# Altium PCB wifi_watering_system_1.PcbDoc
Units mil, origin at the board's own origin, x right, y up, seen from the top; angles counter-clockwise.
Board outline 3267.72 x 1968.5 mil, 2 copper layers (Top Layer, Bottom Layer); 78 components, 64 nets, 281 pads, 0 vias.
Unrouted connection lines stored in the file: 1.
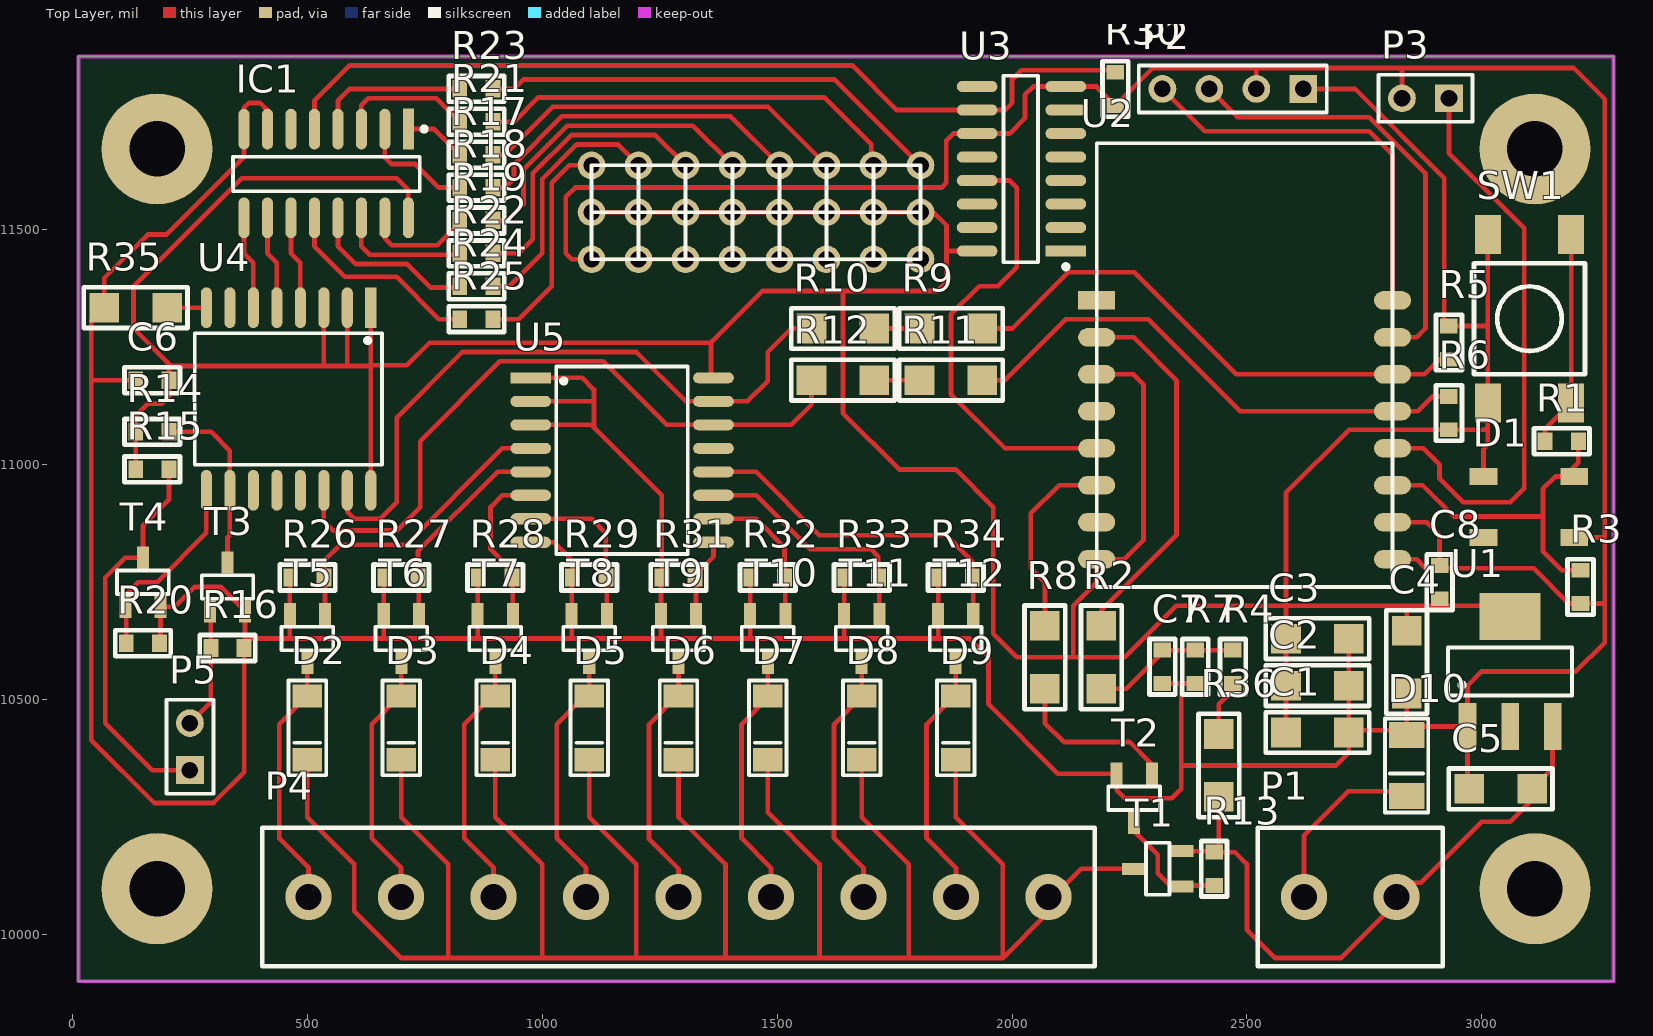
[diagram p0: Top Layer view]
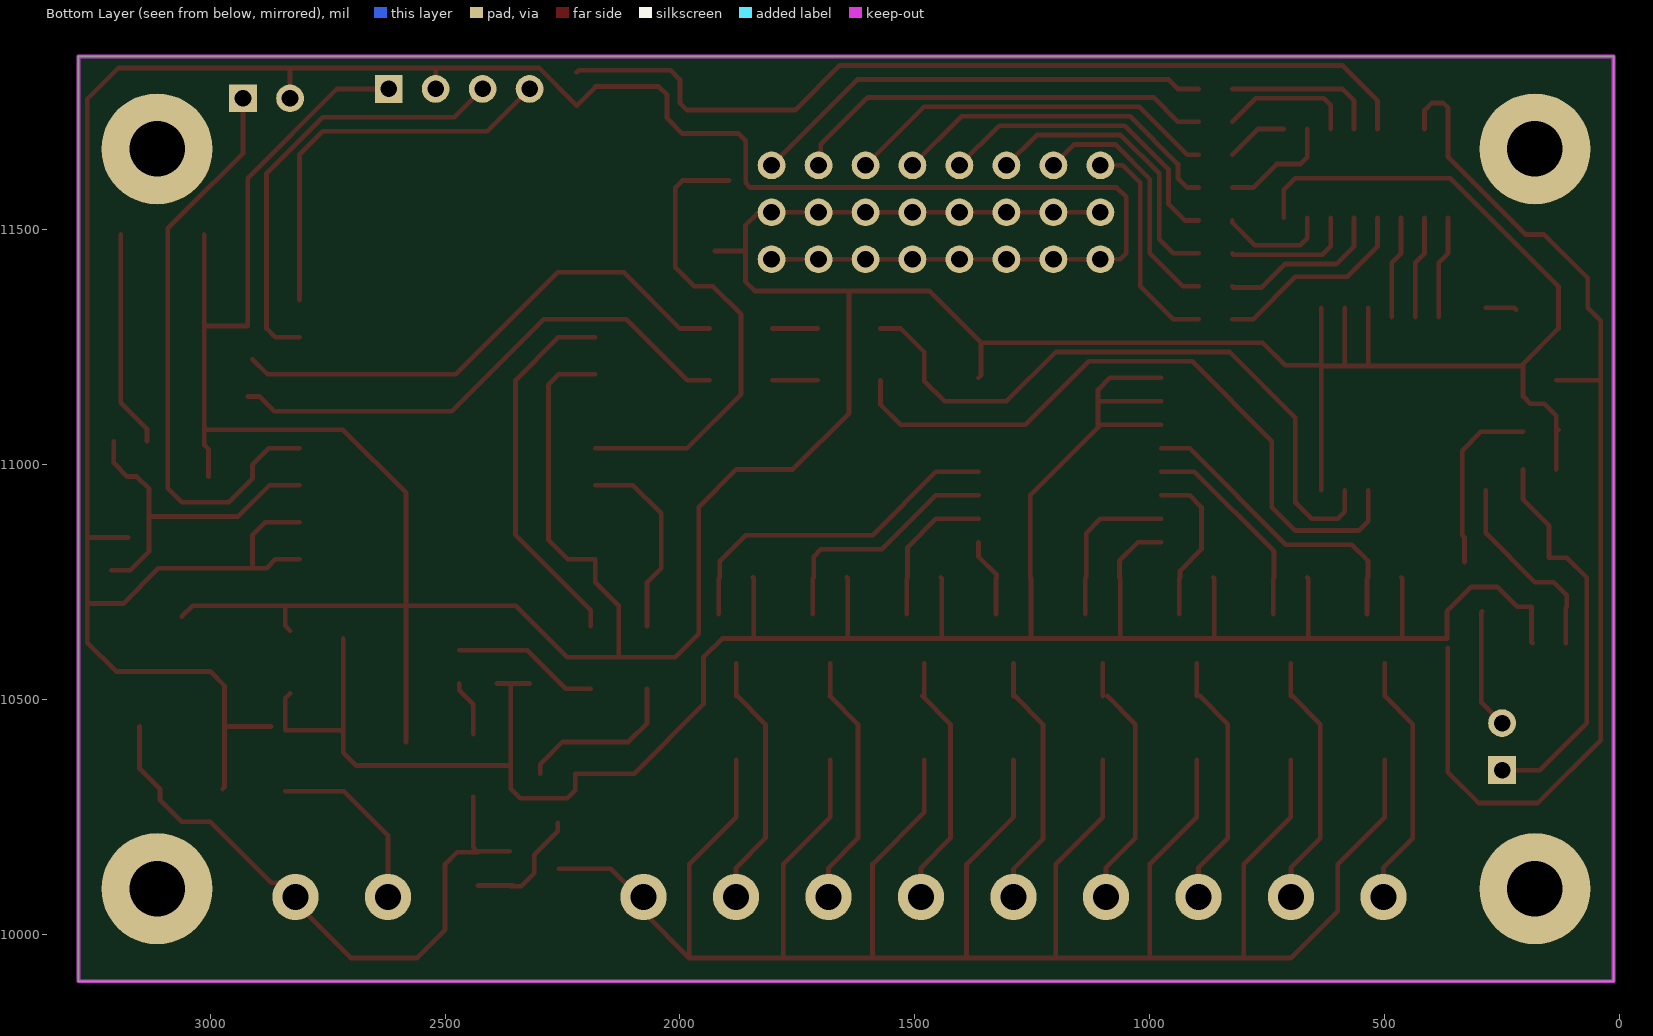
[diagram p1: Bottom Layer view, seen from below]

## Layer stack, top to bottom
Top Layer: signal copper 1.4
Dielectric: dielectric 12.6, FR-4, Dk 4.8
Bottom Layer: signal copper 1.4

## Board outline
12.68,9900.67 3280.39,9900.67 3280.39,11869.17 12.68,11869.17

## Design rules (kind name [scope] priority, off if disabled: settings)
Clearance [All] p1: gap=10
PolygonConnect [All] p1: connectstyle=Relief reliefconductorwidth=10 reliefentries=4 polygonreliefangle="90 Angle"
RoutingVias [All] p1: holewidth=28 width=50 viastyle="Through Hole" minholewidth=28 minwidth=50 maxholewidth=28 maxwidth=50
SilkscreenOverComponentPads [All] p1: minsilkscreentomaskgap=10
SolderMaskExpansion [All] p1: expansion=4
Width [All] p1: maxlimit=10 minlimit=10 preferedwidth=10
27 further rules are at their usual default settings.

## Components (designator, comment, footprint, x,y, rotation, side; value= is the part's Value field where it differs from the comment)
C1 "10uF" FP_1206_CAP_085 2650,10430 r180 top
C2 "10uF" FP_1206_CAP_085 2650,10530 r180 top
C3 "10uF" FP_1206_CAP_085 2650,10630 r180 top
C4 "10uF" FP_1206_CAP_085 2840,10580 r90 top
C5 "10uF" FP_1206_CAP_085 3040,10310 r180 top
C6 "100nF" FP_0603_CAP_080 170,11180 r180 top
C7 "100nF" FP_0603_CAP_080 2320,10570 r270 top
C8 "100nF" FP_0603_CAP_080 2910,10750 r90 top
D1 "WS2812B" LED_5050_4pin 3100,10910 r0 top
D2 "DIODE" SOD-80 500,10440 r180 top
D3 "DIODE" SOD-80 700,10440 r180 top
D4 "DIODE" SOD-80 900,10440 r180 top
D5 "DIODE" SOD-80 1100,10440 r180 top
D6 "DIODE" SOD-80 1290,10440 r180 top
D7 "DIODE" SOD-80 1480,10440 r180 top
D8 "DIODE" SOD-80 1680,10440 r180 top
D9 "DIODE" SOD-80 1880,10440 r180 top
D10 "S1ML" subsma 2840,10360 r180 top
IC1 "CD74HCT251M" GATE_SOIC16 540,11620 r0 top
P1 "AC" "Sorkapocs 2P 5mm" 2720,10080 r180 top
P2 "PROG" HDR1X4 2620,11800 r180 top
P3 "BUTTON" HDR1X2 2930,11780 r180 top
P4 "Header 9" "Sorkapocs 9P 5mm" 1290,10080 r180 top
P5 "PROBE" HDR1X2 250,10350 r90 top
R1 "100K" FP_0603_RES 3170,11050 r180 top
R2 "0R" FP_1206_RES 2190,10590 r270 top
R3 "100K" FP_0603_RES 3210,10740 r270 top
R4 "100K" FP_0603_RES 2470,10570 r90 top
R5 "100K" FP_0603_RES 2930,11260 r270 top
R6 "100K" FP_0603_RES 2930,11110 r90 top
R7 "100K" FP_0603_RES 2390,10570 r270 top
R8 "0R" FP_1206_RES 2070,10590 r270 top
R9 "0R" FP_1206_RES 1870,11290 r0 top
R10 "0R" FP_1206_RES 1640,11290 r0 top
R11 "0R" FP_1206_RES 1870,11180 r0 top
R12 "0R" FP_1206_RES 1640,11180 r0 top
R13 "100K" FP_0603_RES 2430,10140 r270 top
R14 "100K" FP_0603_RES 170,11070 r180 top
R15 "100K" FP_0603_RES 170,10990 r180 top
R16 "100K" FP_0603_RES 330,10610 r180 top
R17 "100K" FP_0603_RES 860,11660 r180 top
R18 "100K" FP_0603_RES 860,11590 r180 top
R19 "100K" FP_0603_RES 860,11520 r0 top
R20 "100K" FP_0603_RES 150,10620 r180 top
R21 "100K" FP_0603_RES 860,11730 r180 top
R22 "100K" FP_0603_RES 860,11450 r0 top
R23 "100K" FP_0603_RES 860,11800 r180 top
R24 "100K" FP_0603_RES 860,11380 r0 top
R25 "100K" FP_0603_RES 860,11310 r0 top
R26 "100K" FP_0603_RES 500,10760 r180 top
R27 "100K" FP_0603_RES 700,10760 r0 top
R28 "100K" FP_0603_RES 900,10760 r0 top
R29 "100K" FP_0603_RES 1100,10760 r0 top
R30 "100K" FP_0603_RES 2220,11800 r90 top
R31 "100K" FP_0603_RES 1290,10760 r0 top
R32 "100K" FP_0603_RES 1480,10760 r0 top
R33 "100K" FP_0603_RES 1680,10760 r0 top
R34 "100K" FP_0603_RES 1880,10760 r0 top
R35 "0R" FP_1206_RES 134.49,11334.49 r180 top
R36 "0R" FP_1206_RES 2440,10360 r90 top
SW1 "SW_ tactile" FP_TACTBTN 3190,11490 r0 top
T1 "TSM2307CX  SI2307" FET_SOT23 2310,10140 r0 top
T2 "PMBF170" FET_SOT23 2260,10290 r90 top
T3 "PMBF170" FET_SOT23 330,10740 r270 top
T4 "PMBF170" FET_SOT23 150,10750 r270 top
T5 "SI2306" FET_SOT23 500,10630 r90 top
T6 "SI2306" FET_SOT23 700,10630 r90 top
T7 "SI2306" FET_SOT23 900,10630 r90 top
T8 "SI2306" FET_SOT23 1100,10630 r90 top
T9 "SI2306" FET_SOT23 1290,10630 r90 top
T10 "SI2306" FET_SOT23 1480,10630 r90 top
T11 "SI2306" FET_SOT23 1680,10630 r90 top
T12 "SI2306" FET_SOT23 1880,10630 r90 top
U1 "LD1117xx" SUPPLY_SOT223 3060,10560 r90 top
U2 "ESP-12" ESP_12 2180,11350 r0 top
U3 "SN74HC4040D" GATE_SOIC16 2020,11630 r270 top
U4 "PCF8574T" DIGITAL_SOIC16W 460,11140 r0 top
U5 "PCF8574T" DIGITAL_SOIC16W 1170,11010 r90 top

## Footprints (in the part's own frame and the unit in brackets; to place one, negate y for a bottom-side part, rotate by r counter-clockwise, add the part's x,y. Pads: shape width x height; smd on the part's side, far side on the other; paste and mask are expansions set on the pad)
DIGITAL_SOIC16W [mm]
  rect 0.6x2.2 smd: 1(4.445,4.94)
  oval 0.6x2.2 smd: 2(3.175,4.94) 3(1.905,4.94) 4(0.635,4.94) 5(-0.635,4.94) 6(-1.905,4.94) 7(-3.175,4.94) 8(-4.445,4.94) 9(-4.445,-4.94) 10(-3.175,-4.94) 11(-1.905,-4.94) 12(-0.635,-4.94) 13(0.635,-4.94) 14(1.905,-4.94) 15(3.175,-4.94) 16(4.445,-4.94)
  silkscreen extent -5.08,-3.56 5.05,3.56, body extent -5.1,-5.15 5.1,5.15, height 3.5
ESP_12 [mm]
  rect 2x1 smd: 1(0,0)
  oval 2x1 smd: 2(0,-2) 3(0,-4) 4(0,-6) 5(0,-8) 6(0,-10) 7(0,-12) 8(0,-14) 9(16,-14) 10(16,-12) 11(16,-10) 12(16,-8) 13(16,-6) 14(16,-4) 15(16,-2) 16(16,0)
  silkscreen extent 0,-15.5 16,8.5, body extent 0,-15.5 16,8.5, height 2.8
FET_SOT23 [mm] "SOT23-3 tok"
  rect 1.2x0.65 smd: D(-1.327,0) G(1.327,-0.95) S(1.327,0.95)
  silkscreen extent -0.64,-1.4 0.64,1.4, body extent -1.27,-1.46 1.27,1.46, height 0.97
FP_0603_CAP_080 [mm] "0.8mm magas 0603 kapacitás"
  rect 0.8x0.95 smd: 1(-0.9,0) 2(0.9,0)
  silkscreen extent -1.5,-0.7 1.5,0.7, body extent -0.8,-0.4 0.76,0.4, height 0.8
FP_0603_RES [mm] "0603 ellenállás"
  rect 0.8x0.95 smd: 1(-0.9,0) 2(0.9,0)
  silkscreen extent -1.5,-0.7 1.5,0.7, body extent -0.8,-0.4 0.8,0.4, height 0.44
FP_1206_CAP_085 [mm] "1206 kapacitás 0.85 mm"
  rect 1.6x1.6 smd: 1(-1.7,0) 2(1.7,0)
  silkscreen extent -2.8,-1.1 2.8,1.1, body extent -1.52,-0.79 1.58,0.79, height 0.85
FP_1206_RES [mm] "1206 ellenállás"
  rect 1.6x1.6 smd: 1(-1.7,0) 2(1.7,0)
  silkscreen extent -2.8,-1.1 2.8,1.1, body extent -1.6,-0.8 1.6,0.8, height 0.62
FP_TACTBTN [mm] "TE CONNECTIVITY / ALCOSWITCH - FSM2JSMA"
  rect 1.4x2.1 smd: 1(0,0) 2(0,-9.1) 3(-4.5,0) 4(-4.5,-9.1)
  silkscreen extent -5.25,-7.55 0.75,-1.55, body extent -5.23,-8.57 0.77,-0.42, height 5
GATE_SOIC16 [mm]
  rect 0.6x2.2 smd: 1(4.445,2.4)
  oval 0.6x2.2 smd: 2(3.175,2.4) 3(1.905,2.4) 4(0.635,2.4) 5(-0.635,2.4) 6(-1.905,2.4) 7(-3.175,2.4) 8(-4.445,2.4) 9(-4.445,-2.4) 10(-3.175,-2.4) 11(-1.905,-2.4) 12(-0.635,-2.4) 13(0.635,-2.4) 14(1.905,-2.4) 15(3.175,-2.4) 16(4.445,-2.4)
  silkscreen extent -5.03,-0.97 5.42,2.52, body extent -4.95,-3 4.95,3, height 1.4
HDR1X2 [mm] "Connector; Header; 2 Position"
  rect 1.5x1.5 hole 0.9: 1(0,0)
  round 1.5 hole 0.9: 2(2.54,0)
  silkscreen extent -1.27,-1.27 3.81,1.27
HDR1X4 [mm] "Connector; Header; 4 Position"
  rect 1.5x1.5 hole 0.9: 1(0,0)
  round 1.5 hole 0.9: 2(2.54,0) 3(5.08,0) 4(7.62,0)
  silkscreen extent -1.27,-1.27 8.89,1.27
LED_5050_4pin [mm]
  rect 1.5x0.9 smd: 1(-2.45,1.65) 2(-2.45,-1.65) 3(2.45,-1.65) 4(2.45,1.65)
  body extent -2.65,-2.5 2.65,2.5, height 1.6
SOD-80 [mm]
  rect 1.6x1.25 smd: A(0,-1.725) K(0,1.725)
  silkscreen extent -1.02,-2.57 1.02,2.57, body extent -0.79,-1.85 0.81,1.85, height 1.61
"Sorkapocs 2P 5mm" [mm]
  round 2.5 hole 1.4: 1(-2.5,0) 2(2.5,0)
  silkscreen extent -5,-3.75 5,3.75, body extent -5,-4.5 5,4.5, height 15.2
"Sorkapocs 9P 5mm" [mm]
  round 2.5 hole 1.4: 1(-20,0) 2(-15,0) 3(-10,0) 4(-5,0) 5(0,0) 6(5,0) 7(10,0) 8(15,0) 9(20,0)
  silkscreen extent -22.5,-3.75 22.5,3.75, body extent -22.5,-4.5 22.5,4.5, height 15.2
subsma [mil] "nagyfesz egyeniranyito"
  rect 76x55 smd: A(0,-64.75) K(0,64.75)
  silkscreen extent -46,-100 46,100, body extent -35,-73 35,73, height 53
SUPPLY_SOT223 [mm] "SOT223 package, 3 leads"
  rect 2.55x0.95 smd: 1(-2.975,2.3) 2(-2.975,0) 3(-2.975,-2.3)
  rect 2.55x3.3 smd: 2(2.975,0)
  silkscreen extent -1.3,-3.35 1.3,3.35, body extent -3.5,-3.25 3.5,3.25, height 1.65

## Part data
C1 C2 C3 C4 C5 C6 C7 C8: library part Cap, "Capacitor"
D2 D3 D4 D5 D6 D7 D8 D9: "Diode"
D10: library part DIODE, "Diode"
IC1: "CD74HCT251M 8-INPUT MUX.WITH 3-STATE OUTP"
P1 P3 P5: library part "Header 2", "Header, 2-Pin"
P2: library part "Header 4", "Header, 4-Pin"
P4: "Header, 9-Pin"
R1 R2 R3 R4 R5 R6 R7 R8 R9 R10 R11 R12 R13 R14 R15 R16 R17 R18 R19 R20 R21 R22 R23 R24 R25 R26 R27 R28 R29 R30 R31 R32 R33 R34 R35 R36: library part RES, "Resistor"
T1: library part PMOS
T2 T3 T4 T5 T6 T7 T8 T9 T10 T11 T12: library part NMOS
U1: "LD1117xx 3,3V lin reg"
U2: "ESP-12 wifi module"
U3: "12-Bit Asynchronous Binary Counter"

## Free pads (board coordinates)
  round 236.22 hole 118.11: 0(180,10097.52) 0(180,11672.32) 0(3113.07,10097.52) 0(3113.07,11672.32)
  round 59.06 hole 35.43: 0(1105,11437.32) 0(1105,11537.32) 0(1105,11637.32) 0(1205,11437.32) 0(1205,11537.32) 0(1205,11637.32) 0(1305,11437.32) 0(1305,11537.32) 0(1305,11637.32) 0(1405,11437.32) 0(1405,11537.32) 0(1405,11637.32) 0(1505,11437.32) 0(1505,11537.32) 0(1505,11637.32) 0(1605,11437.32) 0(1605,11537.32) 0(1605,11637.32) 0(1705,11437.32) 0(1705,11537.32) 0(1705,11637.32) 0(1805,11437.32) 0(1805,11537.32) 0(1805,11637.32)

## Nets (pads, with @x,y where several pads share a name; then routed paths per layer and width w, separated by ;. In a path a pad name is that pad's centre, name@x,y a point inside that pad or via, vN(x,y) a via of type N, cw(c..) or ccw(c..) an arc to the next point about the centre after c; other vN are vias at no path point)
3V3: C1.2 C2.2 C3.2 C4.2 C6.1 C8.1 D1.1 IC1.16 P2.1 pad.0@1105,11537.32 pad.0@1205,11537.32 pad.0@1305,11537.32 pad.0@1405,11537.32 pad.0@1505,11537.32 pad.0@1605,11537.32 pad.0@1705,11537.32 pad.0@1805,11537.32 R5.1 R6.1 R14.2 R15.2 SW1.3 SW1.4 U1.2 U2.3 U2.8 U3.16 U4.1 U4.2 U4.3 U4.16 U5.16 | length 9902.8
  Top Layer w10: R14.2@130,11074.57 R14.2 ; R15.2 R14.2 ; U4.3 535,11215 540,11210 ; U4.2 585,11215 590,11210 ; U4.16 635,11208.43 633.43,11210 ; U4.1 635,11211.57 ; IC1.16 715,11585 690,11610 360,11610 130,11380 130,11290 205.43,11214.57 205.43,11210 ; pad.0@1105,11537.32 1205,11537.32 1305,11537.32 1405,11537.32 1505,11537.32 1605,11537.32 1705,11537.32 1805,11537.32 1832.68,11537.32 1860.43,11509.57 1860.43,11450 ; U5.16 1358.98,11190.51 1358.98,11260 ; U3.16 1865.43,11455 1860.43,11450 ; U2.3 2257.48,11192.52 2280,11170 2280,10840 2238.82,10798.82 U2.8 2180,10750 2130,10700 2130,10590 ; C1.2@2583.07,10410 C1.2 C2.2 C3.2 2583.07,10700 ; P2.1 2730,11800 2920,11610 2920,11295.43 R5.1 3008.27,11295.43 3012.83,11300 ; C4.2@2830,10646.93 2840,10656.93 2840,10700 ; D1.1 3003.54,11032.83 3012.83,11042.13 3012.83,11080 ; SW1.3 3012.83,11300 ; U1.2@3060,10677.13 3037.13,10700 2840,10700 ; R14.2 134.57,11104.57 160,11130 190,11130 205.43,11145.43 C6.1 205.43,11210 ; 205.43,11210 540,11210 ; 540,11210 590,11210 ; 590,11210 633.43,11210 ; 633.43,11210 635,11211.57 ; 635,11211.57 711.57,11211.57 760,11260 1358.98,11260 ; 1358.98,11260 1468.98,11370 1640,11370 ; 1640,11370 1640,11110 1760,10990 1880,10990 1960,10910 1960,10640 2010,10590 2130,10590 ; 1640,11370 1840.43,11370 1860.43,11390 1860.43,11450 ; 2130,10590 2240,10590 2350,10700 2583.07,10700 ; 2583.07,10700 2840,10700 ; 2583.07,10700 2583.07,10940 2717.64,11074.57 R6.1 3007.4,11074.57 3012.83,11080 ; 3012.83,11080 SW1.4 3012.83,11300
A/D: C7.1 R2.2 R4.2 R7.1 | length 314.1
  Top Layer w10: R2.2 2243.07,10523.07 2325.43,10605.43 2360,10605.43 R4.2
BOOT: P3.1 U2.12 | length 1254
  Top Layer w10: U2.12 2874.96,11035.04 2910,11000 2910,10970 2960,10920 3060,10920 3090,10950 3090,11502.95 3053.73,11539.21 2930,11662.95 P3.1
BTN+LED: D1.4 R1.1 R3.1 U2.11 | length 721.6
  Top Layer w10: U2.11 2873.7,10956.3 2940,10890 3130,10890 ; R1.1 3205.43,11003.94 3176.46,10974.96 3156.46,10974.96 3130,10948.5 3130,10815.43 3170,10775.43 R3.1
CHANNEL_0: pad.0@1805,11637.32 R23.1 | length 993.5
  Top Layer w10: R23.1 940,11800 960,11820 1622.32,11820 pad.0@1805,11637.32
CHANNEL_1: pad.0@1705,11637.32 R21.1 | length 914.1
  Top Layer w10: R21.1 940,11730 991.85,11781.85 1600,11781.85 1700,11681.85 1700,11642.32 pad.0@1705,11637.32
CHANNEL_2: pad.0@1505,11637.32 R18.1 | length 733.3
  Top Layer w10: R18.1 920,11590 940,11610 940,11640 1041.85,11741.85 1400.47,11741.85 pad.0@1505,11637.32
CHANNEL_3: pad.0@1605,11637.32 R17.1 | length 803.3
  Top Layer w10: R17.1 920,11660 1021.85,11761.85 1480.47,11761.85 pad.0@1605,11637.32
CHANNEL_4: pad.0@1405,11637.32 R19.2 | length 671.5
  Top Layer w10: R19.2 925.65,11520 960,11554.35 960,11628.28 1053.57,11721.85 1320.47,11721.85 pad.0@1405,11637.32
CHANNEL_5: pad.0@1305,11637.32 R22.2 | length 622.6
  Top Layer w10: R22.2 950,11450 980,11480 980,11620 1061.85,11701.85 1240.47,11701.85 pad.0@1305,11637.32
CHANNEL_6: pad.0@1205,11637.32 R24.2 | length 545.8
  Top Layer w10: R24.2 930,11380 1000,11450 1000,11608.28 1073.57,11681.85 1160.47,11681.85 pad.0@1205,11637.32
CHANNEL_7: pad.0@1105,11637.32 R25.2 | length 474
  Top Layer w10: R25.2 950,11310 1020,11380 1020,11600 1057.32,11637.32 pad.0@1105,11637.32
ENABLE_IN: R14.1 T3.D U4.10 | length 386
  Top Layer w10: R14.1 295,11070 335,11030 U4.10 335,10850 330,10845 T3.D
ENABLE_OUT: R20.2 T4.G U4.9 | length 421.2
  Top Layer w10: R20.2 114.57,10695.79 T4.G 112.6,10722.6 140,10750 180,10750 285,10855 U4.9
FREQ_IN: U2.5 U3.13 | length 999.7
  Top Layer w10: U3.13@1895.51,11605 U3.13 1995,11605 2010,11590 2010,11420 1970,11380 1930,11380 1870,11320 1870,11150 1984.96,11035.04 U2.5
GND: C1.1 C2.1 C3.1 C4.1 C5.2 C6.2 C7.2 C8.2 D1.3 D10.A IC1.7 IC1.8 P2.2 P3.2 pad.0@1105,11437.32 pad.0@1205,11437.32 pad.0@1305,11437.32 pad.0@1405,11437.32 pad.0@1505,11437.32 pad.0@1605,11437.32 pad.0@1705,11437.32 pad.0@1805,11437.32 R3.2 R7.2 R16.1 R20.1 R26.2 R27.1 R28.1 R29.1 R30.1 R31.1 R32.1 R33.1 R34.1 R35.2 T2.S T3.S T4.S T5.S T6.S T7.S T8.S T9.S T10.S T11.S T12.S U1.1 U2.9 U2.10 U3.8 U3.11 U5.1 U5.2 U5.3 U5.8 | length 14160.9
  Top Layer w10: C6.2 40,11180 ; R20.1 187.4,10621.97 T4.S 217.76,10697.76 260,10740 315.16,10740 T3.S 367.4,10630 460,10630 ; R16.1 365.43,10345.43 300,10280 173.82,10280 40,10413.82 40,11180 ; IC1.7 415,11755 400,11770 375,11770 365,11760 IC1.8 365,11655 200,11490 160,11490 67.56,11397.56 R35.2 40,11306.93 40,11180 ; R26.2 462.6,10758.03 T5.S 462.6,10632.6 460,10630 ; R27.1 662.6,10758.03 T6.S 662.6,10632.6 660,10630 ; R28.1 862.6,10758.03 T7.S 862.6,10632.6 860,10630 ; U5.8 1025,10835 1064.57,10795.43 R29.1 1062.6,10758.03 T8.S 1062.6,10632.6 1060,10630 ; U5.3 1105,11085 1110,11080 ; U5.2 1110,11135 ; U5.1 1085,11185 1110,11160 1110,11135 ; R32.1 1442.6,10758.03 T10.S 1442.6,10632.6 1440,10630 ; R33.1 1642.6,10758.03 T11.S 1642.6,10632.6 1640,10630 ; pad.0@1805,11437.32 1705,11437.32 1605,11437.32 1505,11437.32 1405,11437.32 1305,11437.32 1205,11437.32 1105,11437.32 1062.68,11437.32 1050,11450 1050,11570 1070,11590 1850,11590 1860,11600 1860,11690 1875,11705 U3.11 1995,11705 2027.5,11737.5 2027.5,11787.5 2045,11805 U3.8 2179.57,11805 R30.1 2299.96,11844.53 2520,11844.53 ; R34.1 1842.6,10758.03 T12.S 1842.6,10632.6 1840,10630 ; C7.2 2360,10534.57 ; R7.2 2360,10534.57 ; P2.2 2520,11844.53 ; C3.1 C2.1 C1.1 ; U2.9 2861.18,10798.82 2880,10780 C8.2@2910,10780 ; U2.10 2882.44,10877.56 2910,10850 C8.2 C8.2@2910,10780 ; C4.1@2830,10513.07 2840,10503.07 2840,10434.75 2721.68,10434.75 C1.1 ; P3.2 2830,11844.53 ; D10.A@2870.2,10442.87 U1.1 ; C5.2 2969.45,10313.62 U1.1 ; D1.3@3175.04,10845.04 D1.3 3256.5,10845.04 3261.46,10850 ; 460,10630 660,10630 ; 660,10630 860,10630 ; 860,10630 1060,10630 ; 1060,10630 1250,10630 ; 1110,11080 1110,11135 ; 1110,11080 1254.57,10935.43 R31.1 1252.6,10758.03 T9.S 1252.6,10632.6 1250,10630 ; 1250,10630 1440,10630 ; 1440,10630 1640,10630 ; 1640,10630 1840,10630 ; 1840,10630 1910,10630 1950,10590 1950,10490 2097.76,10342.24 T2.S 2222.6,10307.4 2240,10290 2340,10290 2360,10310 2360,10360 ; 2360,10360 2690,10360 2716.93,10386.93 C1.1 ; 2360,10360 2360,10534.57 ; 2520,11844.53 2830,11844.53 ; 2830,11844.53 3195.47,11844.53 3261.46,11778.54 3261.46,10850 ; C8.2@2910,10780 3110,10780 3185.43,10704.57 R3.2 3256.02,10704.57 3261.46,10710 ; U1.1 2969.45,10529.45 3000,10560 3200,10560 3261.46,10621.46 3261.46,10710 ; 3261.46,10710 3261.46,10850
M_1: R26.1 T5.G U5.4 | length 653.3
  Top Layer w10: T5.G 537.4,10758.03 R26.1 535.43,10795.43 570,10830 710,10830 915,11035 U5.4
M_2: R27.2 T6.G U5.5 | length 444.3
  Top Layer w10: T6.G 737.4,10758.03 R27.2 735.43,10815.43 905,10985 U5.5
M_3: R28.2 T7.G U5.6 | length 343.3
  Top Layer w10: T7.G 937.4,10758.03 R28.2 935.43,10774.57 890,10820 890,10910 915,10935 U5.6
M_4: R29.2 T8.G U5.7 | length 345.7
  Top Layer w10: U5.7 1105,10885 1135.43,10854.57 R29.2 1137.4,10758.03 T8.G
M_5: R31.2 T9.G U5.9 | length 169.7
  Top Layer w10: T9.G 1327.4,10758.03 R31.2 1325.43,10765.43 1364.49,10804.49 U5.9
M_6: R32.2 T10.G U5.10 | length 319.1
  Top Layer w10: U5.10 1455,10885 1515.43,10824.57 R32.2 1517.4,10758.03 T10.G
M_7: R33.2 T11.G U5.11 | length 528.1
  Top Layer w10: U5.11 1455,10935 1570,10820 1700,10820 1715.43,10804.57 R33.2 1717.4,10758.03 T11.G
M_8: R34.2 T12.G U5.12 | length 743
  Top Layer w10: U5.12 1455,10985 1590,10850 1860,10850 1915.43,10794.57 R34.2 1917.4,10758.03 T12.G
MOTOR_COM: D2.K D3.K D4.K D5.K D6.K D7.K D8.K D9.K P4.1 T1.D | length 5403.3
  Top Layer w10: D2.K 500,10250 600,10150 600,10050 700,9950 800,9950 ; D3.K 700,10250 800,10150 800,9950 ; D4.K 900,10250 1000,10150 1000,9950 ; D5.K 1100,10250 1200,10150 1200,9950 ; D6.K 1290,10250 1390,10150 1390,9950 ; D7.K 1480,10260 1590,10150 1590,9950 ; D8.K 1680,10250 1780,10150 1780,9950 ; D9.K 1880,10250 1980,10150 1980,9950 ; T1.D 2147.4,10140 2077.4,10070 2077.4,10047.4 1980,9950 ; 800,9950 1000,9950 ; 1000,9950 1200,9950 ; 1200,9950 1390,9950 ; 1390,9950 1590,9950 ; 1590,9950 1780,9950 ; 1780,9950 1980,9950
NetD10_K: D10.K P1.2 | length 398.8
  Top Layer w10: P1.2@2621.57,10070 P1.2 2621.57,10211.57 2715.25,10305.25 D10.K@2840,10305.25
NetIC1_1: IC1.1 R17.2 | length 132.1
  Top Layer w10: IC1.1 770.08,11714.49 R17.2
NetIC1_2: IC1.2 R18.2 | length 246
  Top Layer w10: IC1.2 665,11655 680,11640 730,11640 780,11590 R18.2
NetIC1_3: IC1.3 R21.2 | length 287
  Top Layer w10: IC1.3 615,11765 630,11780 774.57,11780 R21.2
NetIC1_4: IC1.4 R23.2 | length 330.4
  Top Layer w10: IC1.4 565,11775 590,11800 R23.2
NetIC1_5: IC1.5 R30.2 U3.10 | length 1902.3
  Top Layer w10: IC1.5 515,11775 590,11850 1660,11850 1755,11755 1985,11755 2000,11770 2000,11820 2020,11840 2215.43,11840 R30.2
NetIC1_12: IC1.12 R25.1 | length 434.3
  Top Layer w10: IC1.12 515,11465 580,11400 690,11400 780,11310 R25.1
NetIC1_13: IC1.13 R24.1 | length 357.6
  Top Layer w10: IC1.13 565,11465 602.8,11427.2 712.8,11427.2 762.8,11377.2 821.77,11377.2 R24.1
NetIC1_14: IC1.14 R22.1 | length 278.6
  Top Layer w10: IC1.14 615,11465 632.8,11447.2 821.77,11447.2 R22.1
NetIC1_15: IC1.15 R19.1 | length 233.5
  Top Layer w10: IC1.15 665,11482.2 680,11467.2 776.11,11467.2 824.57,11515.67 R19.1
NetP5_1: P5.1 R15.1 T4.D | length 839.6
  Top Layer w10: R15.1 205.43,10925.43 150,10870 T4.D 112.24,10802.24 70,10760 70,10450 170,10350 P5.1
NetP5_2: P5.2 R16.2 T3.G | length 257
  Top Layer w10: P5.2 294.57,10494.57 R16.2 294.57,10685.79 T3.G
NetR1_2: R1.2 SW1.1 SW1.2 | length 463
  Top Layer w10: R1.2 3134.57,11076.3 SW1.2 SW1.1
NetR2_1: R2.1 U2.2 | length 797.1
  Top Layer w10: U2.2 2258.74,11271.26 2350,11180 2350,10850 2190,10690 R2.1
NetR4_1: R4.1 R36.2 | length 120.1
  Top Layer w10: R36.2 2440,10490 2470,10520 R4.1
NetR8_1: R8.1 U2.6 | length 416.6
  Top Layer w10: R8.1 2070,10750 2040,10780 2040,10896.3 2100,10956.3 U2.6
NetR9_1: R9.1 R10.2 | length 96.1
  Top Layer w10: R10.2 R9.1
NetR11_1: R11.1 R12.2 | length 96.1
  Top Layer w10: R12.2 R11.1
NetR13_2: R13.2 T1.G T2.D | length 266.6
  Top Layer w10: T2.D 2260,10220 2310,10170 2310,10150 2310,10130 2337.4,10102.6 T1.G ; T1.G@2355.43,10104.57 R13.2
NetR35_1: R35.1 U4.8 | length 66.9
  Top Layer w10: R35.1@220,11330 224.49,11334.49 U4.8
OUT_1: D2.A P4.9 T5.D | length 558.5
  Top Layer w10: T5.D D2.A 440,10447.91 440,10204.92 502.6,10142.32 P4.9@502.6,10070
OUT_2: D3.A P4.8 T6.D | length 558.5
  Top Layer w10: D3.A@696.85,10507.91 636.85,10447.91 636.85,10204.92 699.45,10142.32 P4.8@699.45,10070 ; D3.A T6.D
OUT_3: D4.A P4.7 T7.D | length 558.5
  Top Layer w10: D4.A@893.7,10507.91 833.7,10447.91 833.7,10204.92 896.3,10142.32 P4.7@896.3,10070 ; D4.A T7.D
OUT_4: D5.A P4.6 T8.D | length 558.5
  Top Layer w10: D5.A@1090.55,10507.91 1030.55,10447.91 1030.55,10204.92 1093.15,10142.32 P4.6@1093.15,10070 ; D5.A T8.D
OUT_5: D6.A P4.5 T9.D | length 558.5
  Top Layer w10: D6.A@1287.4,10507.91 1227.4,10447.91 1227.4,10202.6 1290,10140 P4.5@1290,10070 ; D6.A T9.D
OUT_6: D7.A P4.4 T10.D | length 558.5
  Top Layer w10: D7.A T10.D ; D7.A@1484.25,10507.91 1424.25,10447.91 1424.25,10204.92 1486.85,10142.32 P4.4@1486.85,10070
OUT_7: D8.A P4.3 T11.D | length 558.5
  Top Layer w10: D8.A T11.D ; D8.A@1681.1,10507.91 1621.1,10447.91 1621.1,10204.92 1683.7,10142.32 P4.3@1683.7,10070
OUT_8: D9.A P4.2 T12.D | length 558.5
  Top Layer w10: D9.A@1877.95,10507.91 1817.95,10447.91 1817.95,10204.92 1880.55,10142.32 P4.2@1880.55,10070 ; D9.A T12.D
PWM: R8.2 T2.G | length 357
  Top Layer w10: R8.2 2070,10450 2110,10410 2250,10410 2297.4,10362.6 T2.G
RX: P2.3 U2.15 | length 942.4
  Top Layer w10: P2.3 2480,11740 2760,11740 2880,11620 2880,11290 2861.26,11271.26 U2.15
SCL: R12.1 U4.14 U5.14 | length 1468.7
  Top Layer w10: U4.14 535,10880 555,10860 690,10860 740,10910 740,11050 910,11220 1130,11220 1265,11085 U5.14 1530,11085 1573.07,11128.07 R12.1
SCL_: R6.2 R11.2 U2.13 | length 1131.3
  Top Layer w10: R11.2 1984.06,11180 2114.06,11310 2290,11310 2486.22,11113.78 U2.13 2863.78,11113.78 2895.43,11145.43 R6.2@2920,11145.43
SDA: R10.1 U4.15 U5.15 | length 1436.2
  Top Layer w10: U4.15 585,10900 600,10885 655,10885 690,10920 690,11100 830,11240 1200,11240 1305,11135 U5.15 1436.81,11135 1480,11178.19 1480,11240 1530,11290 R10.1
SDA_: R5.2 R9.2 U2.14 | length 1126.1
  Top Layer w10: R9.2 2000,11290 2120,11410 2260,11410 2477.48,11192.52 U2.14 2877.95,11192.52 2910,11224.57
SELECT_0: IC1.11 U4.4 | length 219.3
  Top Layer w10: IC1.11 465,11450 485,11430 U4.4 U4.4@485,11314.49
SELECT_1: IC1.10 U4.5 | length 219.3
  Top Layer w10: IC1.10 415,11450 435,11430 U4.5 U4.5@435,11314.49
SELECT_2: IC1.9 U4.6 | length 219.3
  Top Layer w10: IC1.9 365,11450 385,11430 U4.6 U4.6@385,11314.49
TX: P2.4 U2.16 | length 858
  Top Layer w10: P2.4 2410,11710 2760,11710 2809.92,11660.08 U2.16
VCC: C5.1 P1.1 R13.1 R36.1 T1.S U1.3 | length 1380.6
  Top Layer w10: T1.S 2428.03,10177.4 R13.1 ; R36.1 2440,10185.43 R13.1 ; U1.3 3150.55,10353.62 C5.1 3106.93,10286.93 3060,10240 3000,10240 2870,10110 2818.43,10110 2818.43,10068.43 2700,9950 2560,9950 2500,10010 2500,10150 2474.57,10175.43 R13.1
pads on no net: D1.2 IC1.6 U2.1 U2.4 U2.7 U3.1 U3.2 U3.3 U3.4 U3.5 U3.6 U3.7 U3.9 U3.12 U3.14 U3.15 U4.7 U4.11 U4.12 U4.13 U5.13

## Keep-outs
Keep-Out Layer:
  the board outline again, w7.87

## Silkscreen, mask and mechanical layers (free items; w line width, h text height)
Top Overlay:
  lines w8: 1105,11537.32 1805,11537.32 ; 1205,11437.32 1205,11637.32 ; 1305,11437.32 1305,11637.32 ; 1405,11437.32 1405,11637.32 ; 1505,11437.32 1505,11442.32 1505,11637.32 ; 1605,11437.32 1605,11637.32 ; 1705,11437.32 1705,11637.32 ; 1105,11437.32 1105,11637.32 1805,11637.32 1805,11437.32 1105,11437.32
Mechanical 15:
  lines w7.87: -7.01,9880.98 3300.08,9880.98 3300.08,11888.86 -7.01,11888.86 -7.01,9880.98